# Altium PCB ESP12_RGBW_01.PcbDoc
Units mm, origin at the board's own origin, x right, y up, seen from the top; angles counter-clockwise.
Board outline 32 x 41 mm, 2 copper layers (Top Layer, Bottom Layer), stack 0.971 mm thick; 70 components, 72 nets, 264 pads, 37 vias.
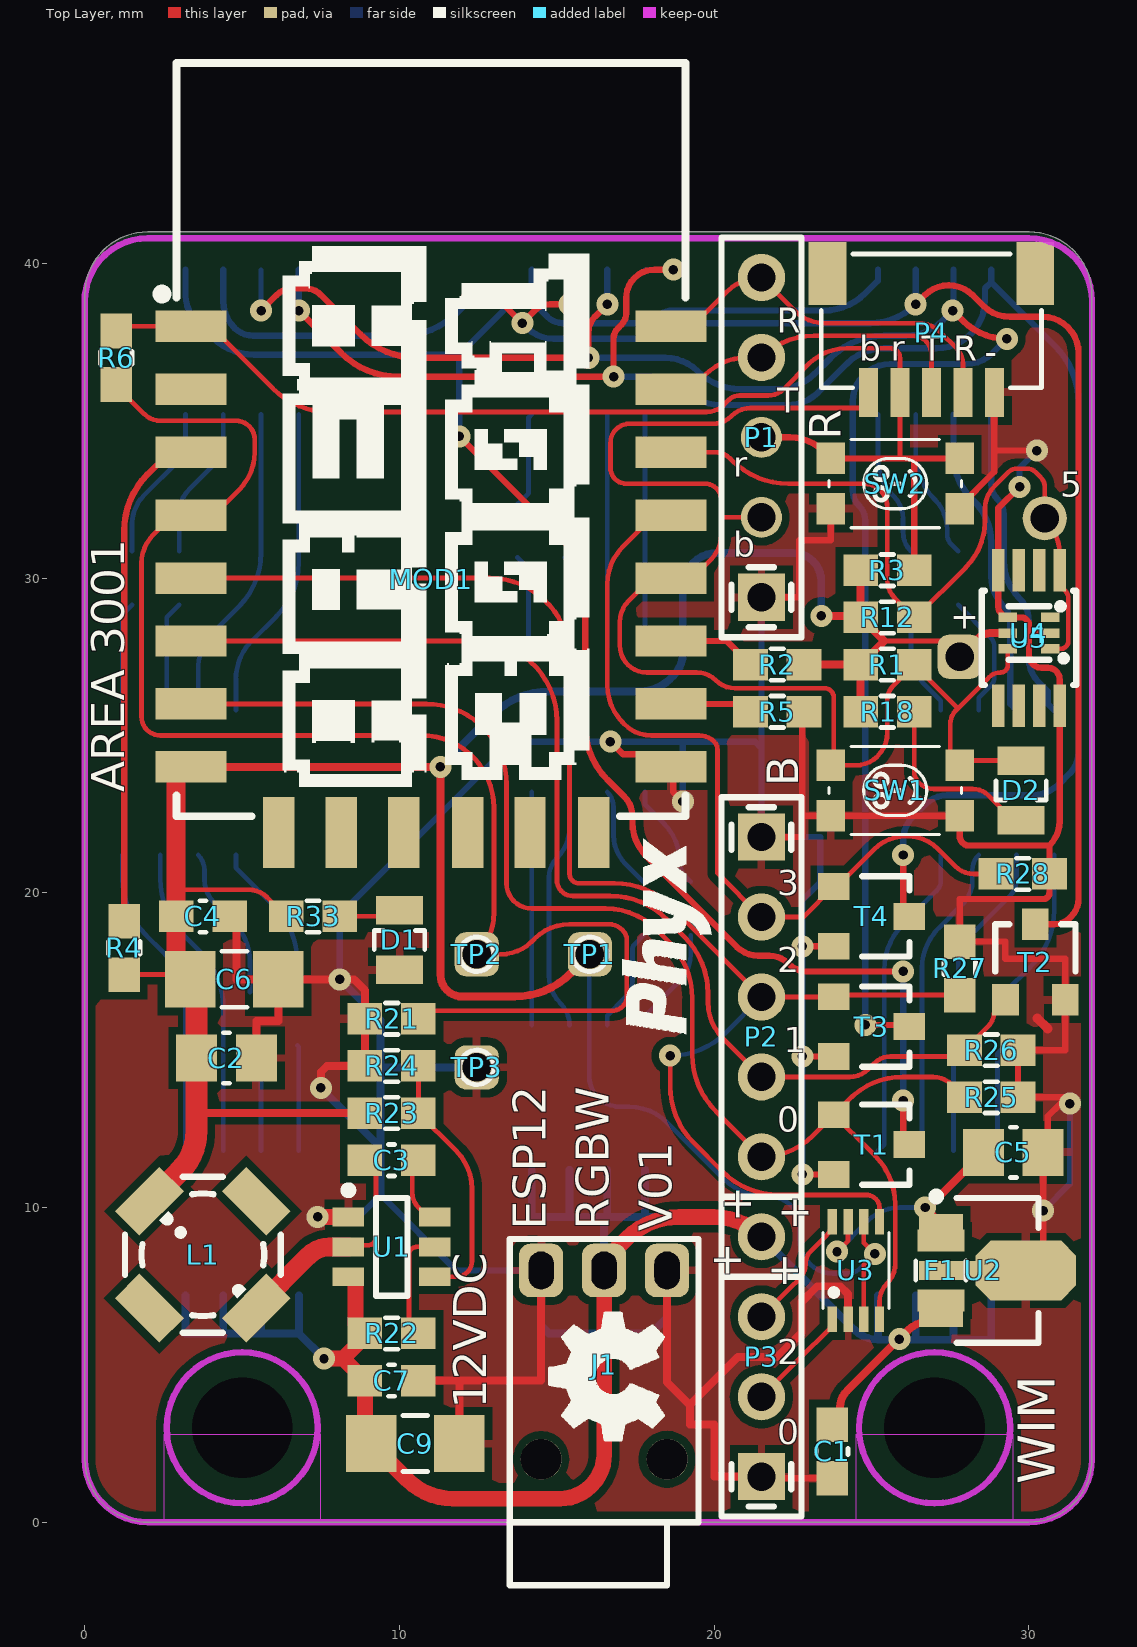
[diagram p0: Top Layer view]
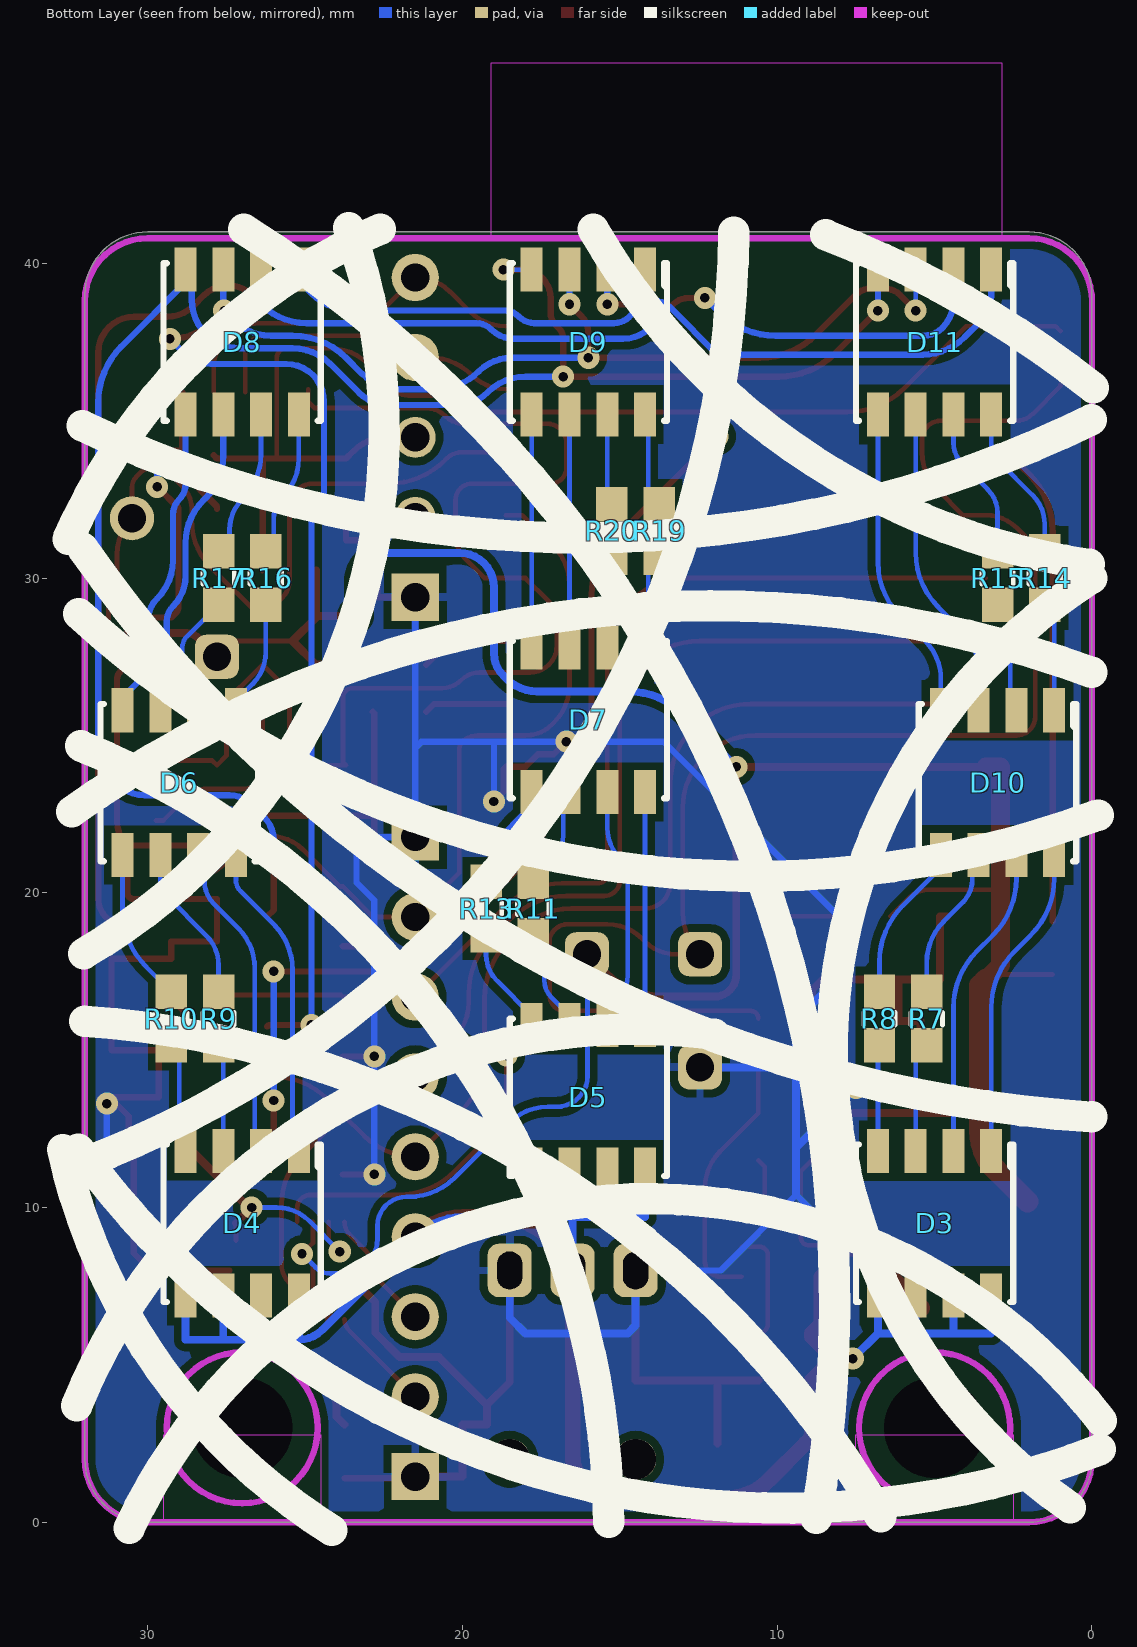
[diagram p1: Bottom Layer view, seen from below]
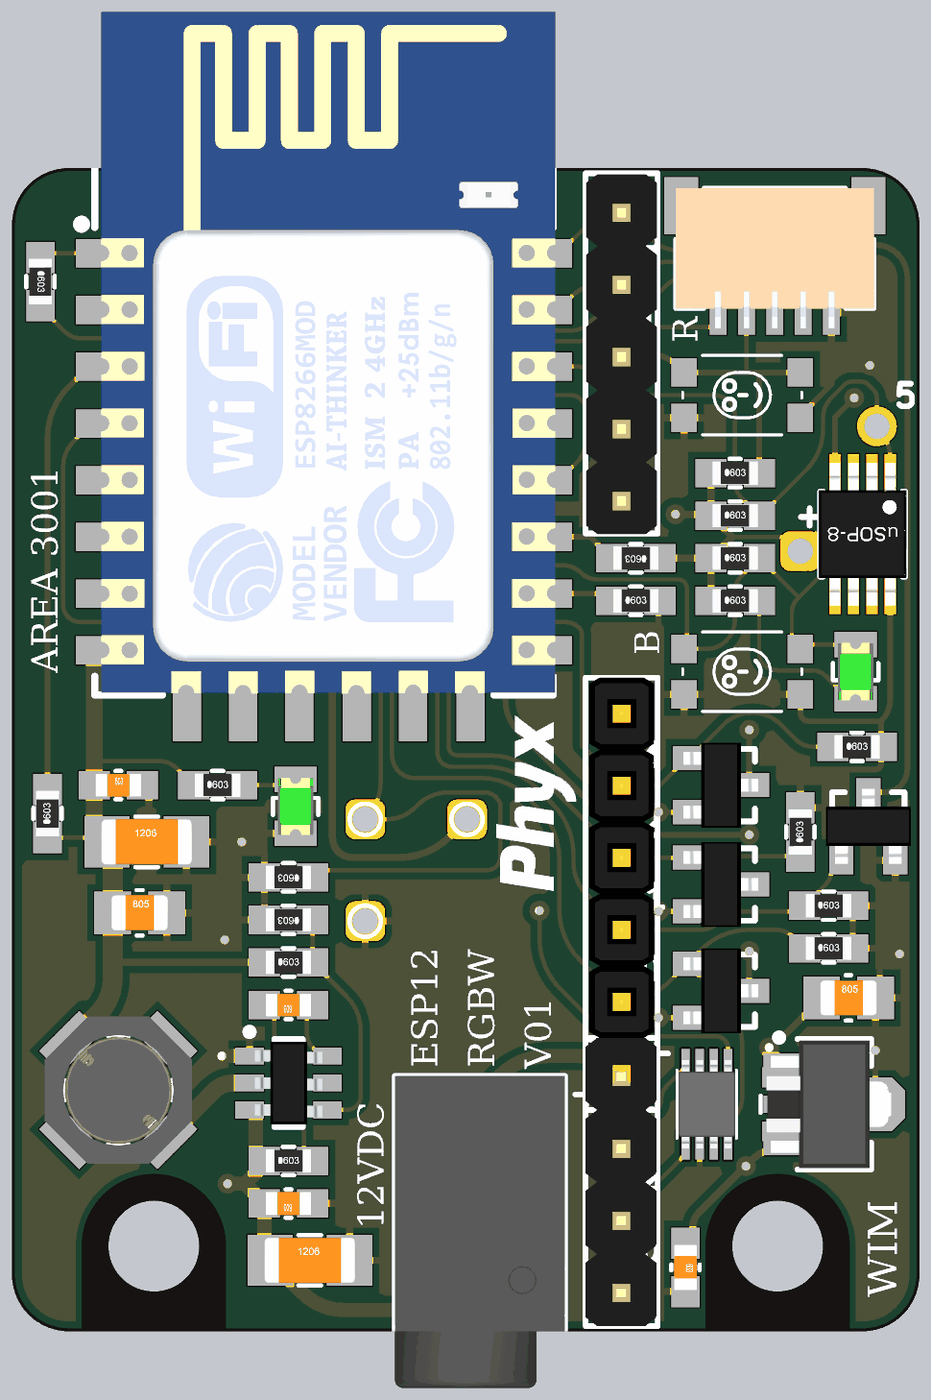
[diagram p2: 3D render of the assembled board from above, using the file's embedded part models]
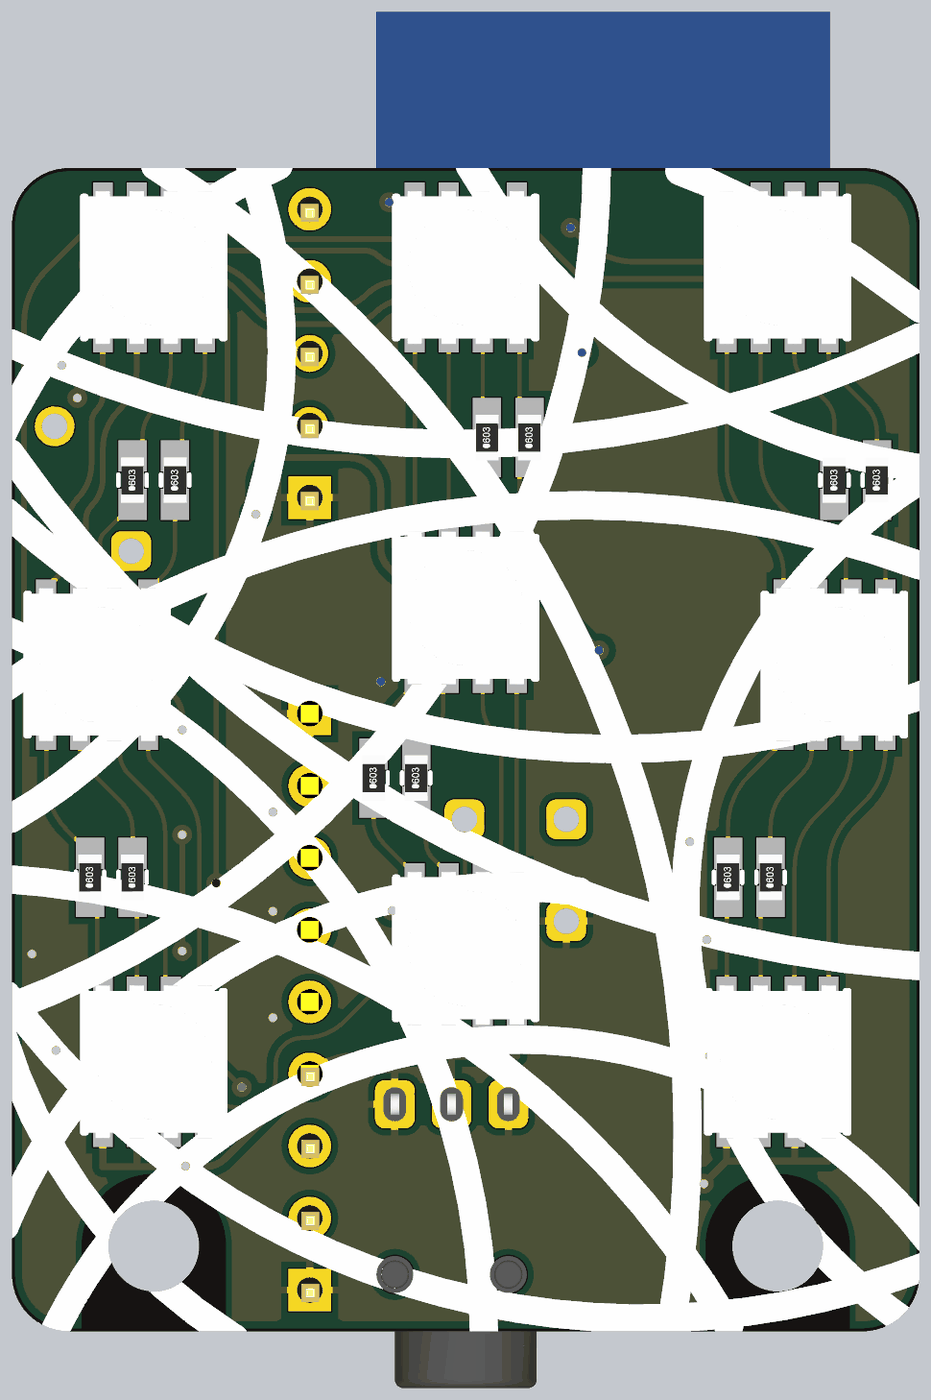
[diagram p3: 3D render of the assembled board from below, using the file's embedded part models]

## Layer stack, top to bottom
Top Solder: solder mask 0.0102, Solder Resist, Dk 3.5
Top Layer: signal copper 0.0356
Dielectric1: dielectric 0.9, FR-4, Dk 4.8
Bottom Layer: signal copper 0.0356
Bottom Solder: solder mask 0.0102, Solder Resist, Dk 3.5

## Board outline
0,2 0,39 cw(c2,39) 2,41 30,41 cw(c30,39) 32,39 32,2 cw(c30,2) 30,0 2,0 cw(c2,2)

## Design rules (kind name [scope] priority, off if disabled: settings)
Clearance [All] p1: gap=0.15 except(0.25: Arc-Poly Track-Poly SMDPad-Poly THPad-Poly Via-Poly Fill-Poly Poly-Poly)
HoleSize [All] p1: absolutevalues=TRUE maxlimit=4 minlimit=0.025 maxpercent=80.000 minpercent=20.000
MinimumSolderMaskSliver [All] p1: minsoldermaskwidth=0.1
PolygonConnect PolygonConnect_Via [IsVia] p1: connectstyle=Direct reliefconductorwidth=0.254 reliefentries=4 polygonreliefangle="90 Angle" airgapwidth=0.254
PolygonConnect PolygonConnect_TIO [All vs OnLayer('Top Layer')] p2: connectstyle=Relief reliefconductorwidth=0.25 reliefentries=4 polygonreliefangle="90 Angle" airgapwidth=0.25
PolygonConnect [All] p3: connectstyle=Relief reliefconductorwidth=0.25 reliefentries=4 polygonreliefangle="90 Angle" airgapwidth=0.25
RoutingVias [All] p1: holewidth=0.3 width=0.7 viastyle="Through Hole" minholewidth=0.3 minwidth=0.7 maxholewidth=0.3 maxwidth=0.7
SilkToSolderMaskClearance SilkscreenOverComponentPads [IsPad] p1: minsilkscreentomaskgap=0.254 clearancetoexposedcopper=TRUE
SolderMaskExpansion SolderMaskExpansion_VIA [IsVia] p1: expansion=-0.1 useseparateexpansions=TRUE expansionbottom=-10
SolderMaskExpansion [All] p2: expansion=0.05
Width [All] p1: maxlimit=2 minlimit=0.15 preferedwidth=0.5 minimp=50.000000 maximp=50.000000 favimp=50.000000
27 further rules are at their usual default settings.

## Classes and differential pairs
net class POWER: 3V3 GND NetC3_2 VIN

## Components (designator, comment, footprint, x,y, rotation, side; value= is the part's Value field where it differs from the comment)
C1 "CAP_CERAMIC" C0603_N 23.75,2.25 r270 top
C2 "CAP_CERAMIC" C0805_N 4.5,14.75 r0 top
C3 "CAP_CERAMIC" C0603_N 9.75,11.5 r180 top
C4 "CAP_CERAMIC" C0603_N 3.75,19.25 r0 top
C5 "CAP_CERAMIC" C0805_N 29.5,11.75 r0 top
C6 "CAP_CERAMIC" C1206_N 4.75,17.25 r0 top
C7 "CAP_CERAMIC" C0603_N 9.75,4.5 r180 top
C9 "CAP_CERAMIC" C1206_N 10.5,2.5 r0 top
D1 "Green LED" LED_0805_GR 10,18.5 r270 top
D2 "Green LED" LED_0805_GR 29.75,23.25 r90 top
D3 "5050 RGBW LED" LED_5050_RGBW_PLCC8 5,9.5 r90 bottom
D4 "5050 RGBW LED" LED_5050_RGBW_PLCC8 27,9.5 r90 bottom
D5 "5050 RGBW LED" LED_5050_RGBW_PLCC8 16,13.5 r90 bottom
D6 "5050 RGBW LED" LED_5050_RGBW_PLCC8 29,23.5 r90 bottom
D7 "5050 RGBW LED" LED_5050_RGBW_PLCC8 16,25.5 r90 bottom
D8 "5050 RGBW LED" LED_5050_RGBW_PLCC8 27,37.5 r90 bottom
D9 "5050 RGBW LED" LED_5050_RGBW_PLCC8 16,37.5 r90 bottom
D10 "5050 RGBW LED" LED_5050_RGBW_PLCC8 3,23.5 r90 bottom
D11 "5050 RGBW LED" LED_5050_RGBW_PLCC8 5,37.5 r90 bottom
F1 "FERRITE" L0805 27.2,8 r90 top
J1 "Socket RA 3.5 with 1.35 barrel" DC-003 16.5,8 r90 top
L1 "SRU5028-3R3Y" BRNS_SRU5028 3.75,8.5 r135 top
MOD1 "ESP8266 based ESP-12E" ESP-12E 11,31 r0 top locked
P1 "Header 5" HDR1X5 21.5,29.39 r90 top
P2 "Header 6" HDR1X6 21.5,21.77 r270 top
P3 "Header 4" HDR1X4 21.5,1.45 r90 top
P4 "Header 1.0mm RA Shrouded 5" WE_665105131822 28.9,35.9 r180 top
R1 "RESISTOR" R0603_N 25.5,27.25 r0 top
R2 "RESISTOR" R0603_N 22,27.25 r180 top
R3 "RESISTOR" R0603_N 25.5,30.25 r0 top
R4 "RESISTOR" R0603_N 1.25,18.25 r90 top
R5 "RESISTOR" R0603_N 22,25.75 r0 top
R6 "RESISTOR" R0603_N 1,37 r270 top
R7 "RESISTOR" R0603_N 5.25,16 r90 bottom
R8 "RESISTOR" R0603_N 6.75,16 r90 bottom
R9 "RESISTOR" R0603_N 27.75,16 r90 bottom
R10 "RESISTOR" R0603_N 29.25,16 r90 bottom
R11 "RESISTOR" R0603_N 17.75,19.5 r90 bottom
R12 "RESISTOR" R0603_N 25.5,28.75 r0 top
R13 "RESISTOR" R0603_N 19.25,19.5 r90 bottom
R14 "RESISTOR" R0603_N 1.5,30 r90 bottom
R15 "RESISTOR" R0603_N 3,30 r90 bottom
R16 "RESISTOR" R0603_N 26.25,30 r90 bottom
R17 "RESISTOR" R0603_N 27.75,30 r90 bottom
R18 "RESISTOR" R0603_N 25.5,25.75 r0 top
R19 "RESISTOR" R0603_N 13.75,31.5 r90 bottom
R20 "RESISTOR" R0603_N 15.25,31.5 r90 bottom
R21 "RESISTOR" R0603_N 9.75,16 r180 top
R22 "RESISTOR" R0603_N 9.75,6 r0 top
R23 "RESISTOR" R0603_N 9.75,13 r0 top
R24 "RESISTOR" R0603_N 9.75,14.5 r180 top
R25 "RESISTOR" R0603_N 28.8,13.5 r0 top
R26 "RESISTOR" R0603_N 28.8,15 r0 top
R27 "RESISTOR" R0603_N 27.8,17.6 r90 top
R28 "RESISTOR" R0603_N 29.8,20.6 r0 top
R33 "RESISTOR" R0603_N 7.25,19.25 r0 top
SW1 "LP SMD tact sw" CK_KMR4 25.75,23.25 r180 top
SW2 "LP SMD tact sw" CK_KMR4 25.75,33 r180 top
T1 "0.2A N-Ch MOSFET Vgs 3.2" SOT23-3 25,12 r270 top
T2 "0.2A N-Ch MOSFET Vgs 3.2" SOT23-3 30.2,17.8 r0 top
T3 "0.2A N-Ch MOSFET Vgs 3.2" SOT23-3 25,15.75 r270 top
T4 "0.2A N-Ch MOSFET Vgs 3.2" SOT23-3 25,19.25 r270 top
TP1 "TEST_PAD" TP_0.8mm_0.4mm 16.046,18.046 r90 top
TP2 "TEST_PAD" TP_0.8mm_0.4mm 12.454,18.046 r90 top
TP3 "TEST_PAD" TP_0.8mm_0.4mm 12.454,14.454 r90 top
U1 "Buck 2A" TI_DDC_R-PDSO-G6 9.75,8.75 r0 top
U2 "5V LDO 100mA" TI_PK 29,8 r0 top
U3 "2-bit Bi Level translator, 15kV ESD" TI_DCU_R-PDSO-G8 24.5,8 r0 top
U4 "I2C Temp sensor High Accuracy" TI_DRL_R-PDSO-N6 30,28.25 r90 top
U5 "Thermometer 1-Wire DS18B20U" MAX_uSOP8 30,28.1 r270 top

## Footprints (in the part's own frame and the unit in brackets; to place one, negate y for a bottom-side part, rotate by r counter-clockwise, add the part's x,y. Pads: shape width x height; smd on the part's side, far side on the other; paste and mask are expansions set on the pad)
BRNS_SRU5028 [mm] "Bourns 5.2x5.2mm Inductor 2.8mm height"
  rect 1.1x2 smd: 1(-2.4,0) 2(2.4,0)
  rect 2x1.1 smd: 3(0,-2.4) 4(0,2.4)
  silkscreen extent -2.2,-2.2 2.2,2.2, body extent -2.6,-2.6 2.6,2.6, height 2.8
C0603_N [mm] "Low density"
  rect 1.1x1 smd: 1(-0.85,0) 2(0.85,0)
  silkscreen extent -0.1,-0.5 0.1,0.5, body extent -0.8,-0.4 0.8,0.4, height 0.3
C0805_N [mm] "Low density"
  rect 1.3x1.5 smd: 1(-0.95,0) 2(0.95,0)
  silkscreen extent -0.1,-0.8 0.1,0.8, body extent -1,-0.62 1,0.63, height 0.78
C1206_N [mm] "low density"
  rect 1.6x1.8 smd: 1(-1.4,0) 2(1.4,0)
  silkscreen extent -0.4,-0.89 0.4,0.89, body extent -1.6,-0.8 1.6,0.8, height 1
CK_KMR4 [mm] "C&K KMR 4 series tactile switches"
  rect 0.9x1 smd: 1(-2.05,-0.8) 1(2.05,-0.8) 2(-2.05,0.8) 2(2.05,0.8)
  silkscreen extent -2.1,-1.4 2.1,1.4, body extent -2.1,-1.4 2.1,1.4, height 2.5
DC-003 [mm] "CUI PJ-040CH"
  rrect50% 1.7x1.4 hole 0.8 slot 1.2 at 0 deg paste-5: 1(0,0) 2(0,-2) 3(0,2)
  round 1.3 hole 1.3 unplated paste-5: MH1(-6,-2) MH2(-6,2)
  silkscreen extent -10,-3 1,3, body extent -10,-3 1,3, height 5
ESP-12E [mm]
  rect 2.25x1 smd: 1(-7.625,7) 2(-7.625,5) 3(-7.625,3) 4(-7.625,1) 5(-7.625,-1) 6(-7.625,-3) 7(-7.625,-5) 8(-7.625,-7) 15(7.625,-7) 16(7.625,-5) 17(7.625,-3) 18(7.625,-1) 19(7.625,1) 20(7.625,3) 21(7.625,5) 22(7.625,7)
  rect 1x2.25 smd: 9(-4.831,-9.083) 10(-2.85,-9.083) 11(-0.869,-9.083) 12(1.163,-9.083) 13(3.145,-9.083) 14(5.177,-9.083)
  Keep-Out Layer region: -8.127,9.727 8.084,9.727 8.084,15.371 -8.127,15.371
  silkscreen extent -8.7,-8.57 8.08,15.37, body extent -7.86,-8.52 8.16,15.51, height 3.82
HDR1X4 [mm] "Connector; Header; 4 Position"
  rect 1.5x1.5 hole 0.9: 1(0,0)
  round 1.5 hole 0.9: 2(2.54,0) 3(5.08,0) 4(7.62,0)
  silkscreen extent -1.27,-1.27 8.89,1.27, body extent -1.27,-1.23 8.89,1.27, height 8.2
HDR1X5 [mm] "Connector; Header; 5 Position"
  rect 1.5x1.5 hole 0.9: 1(0,0)
  round 1.3 hole 0.9: 2(2.54,0) 3(5.08,0)
  round 1.5 hole 0.9: 4(7.62,0) 5(10.16,0)
  silkscreen extent -1.27,-1.27 11.43,1.27, body extent -1.3,-1.25 11.4,1.25, height 8.2
HDR1X6 [mm] "Connector; Header; 6 Position"
  rect 1.5x1.5 hole 0.9: 1(0,0)
  round 1.5 hole 0.9: 2(2.54,0) 3(5.08,0) 4(7.62,0) 5(10.16,0) 6(12.7,0)
  silkscreen extent -1.27,-1.27 13.97,1.27, body extent -1.27,-1.14 13.97,1.14, height 8.13
L0805 [mm]
  rect 0.7x1.5 smd: 1(-0.95,0) 2(0.95,0)
  silkscreen extent -0.3,-0.8 0.3,0.8, body extent -1,-0.6 1,0.6, height 0.95
LED_0805_GR [mm] "0805 LED GREEN"
  rect 0.9x1.5 smd: 1(-0.95,0) 2(0.95,0)
  silkscreen extent -0.3,-0.8 0.3,0.8, body extent -1.01,-0.62 1.01,0.63, height 1.1
LED_5050_RGBW_PLCC8 [mm] "5050 RGBW LED PLCC8"
  rect 1.4x0.7 smd: 1(-2.3,1.8) 2(2.3,1.8) 3(-2.3,0.6) 4(2.3,0.6) 5(-2.3,-0.6) 6(2.3,-0.6) 7(-2.3,-1.8) 8(2.3,-1.8)
  silkscreen extent -2.5,-2.5 2.5,2.5, body extent -2.7,-2.5 2.7,2.5, height 1.6
MAX_uSOP8 [mm]
  rect 1.35x0.4 smd paste-5: 1(-2.15,0.975) 2(-2.15,0.325) 3(-2.15,-0.325) 4(-2.15,-0.975) 5(2.15,-0.975) 6(2.15,-0.325) 7(2.15,0.325) 8(2.15,0.975)
  silkscreen extent -1.5,-1.5 1.5,1.5, body extent -2.51,-1.55 2.52,1.55, height 1.1
R0603_N [mm] "Low density"
  rect 1.1x1 smd: 1(-0.85,0) 2(0.85,0)
  silkscreen extent -0.2,-0.5 0.2,0.5, body extent -0.8,-0.41 0.8,0.41, height 0.45
SOT23-3 [mm] "SOT-23; 3 Leads; Body 3.1 x 2.5 mm, inc. leads (LxW max)"
  rect 0.85x1 smd: 1(-0.95,-1.2) 2(0.95,-1.2) 3(0,1.2)
  silkscreen extent -1.27,-0.3 1.28,1.2, body extent -1.5,-1.32 1.5,1.32, height 1.08
TI_DCU_R-PDSO-G8 [mm] "TI_DCU_R-PDSO-G8"
  rect 0.3x0.8 smd mask+0.075: 1(-0.75,-1.55) 2(-0.25,-1.55) 3(0.25,-1.55) 4(0.75,-1.55) 5(0.75,1.55) 6(0.25,1.55) 7(-0.25,1.55) 8(-0.75,1.55)
  silkscreen extent -1.05,-1.2 1.05,1.2, body extent -1,-1.55 1,1.55, height 0.9
TI_DDC_R-PDSO-G6 [mm] "Ti DDC SOT23-6 package"
  rect 1x0.6 smd: 1(-1.375,0.95) 2(-1.375,0) 3(-1.375,-0.95) 4(1.375,-0.95) 5(1.375,0) 6(1.375,0.95)
  silkscreen extent -1.5,-1.55 0.5,1.92, body extent -1.18,-1.46 1.2,1.46, height 0.93
TI_DRL_R-PDSO-N6 [mm] "TI_DRL_R-PDSO-N6"
  rect 0.3x0.6 smd: 1(-0.5,-0.675) 2(0,-0.675) 3(0.5,-0.675) 4(0.5,0.675) 5(0,0.675) 6(-0.5,0.675)
  silkscreen extent -0.9,-1.2 0.85,0.65, body extent -0.85,-0.85 0.85,0.85, height 0.6
TI_PK [mm] "SOT-89 3 leads package"
  rect 1.4x0.6 smd: 1(-1.8,1.5) 3(-1.8,-1.5)
  rect 1.8x0.6 smd: 2(-1.6,0)
  oct 3.2x1.9 smd: 2(0.9,0)
  silkscreen extent -2.07,-2.3 1.3,2.47, body extent -2.25,-2.25 2,2.25, height 1.54
TP_0.8mm_0.4mm [mm] "0.8mm pad, 0.4mm hole"
  rrect50% 1.4x1.4 hole 0.9 mask+0.05: 1(0,0)
  silkscreen extent -0.55,-0.55 0.55,0.55
WE_665105131822 [mm]
  rect 0.6x1.55 smd: 1(0,0) 2(1,0) 3(2,0) 4(3,0) 5(4,0)
  rect 1.2x2 smd: Z1(-1.3,-3.775) Z2(5.3,-3.775)
  silkscreen extent -1.5,-4.4 5.5,-0.15, body extent -1.5,-4.4 5.5,0.55, height 2.95

## Part data
C1 C3 C4 C7: library part "CAP # 100nF 50V 0603", "Capacitor Ceramic"
C2 C5: library part "CAP # 10uF 10V 0805", "Capacitor Ceramic"
C6 C9: library part "CAP # 22uF 16V 1206 X5R", "Capacitor Ceramic"
D1 D2: library part "LED # Green 0805", "=Description"
D3 D4 D5 D6 D7 D8 D9 D10 D11: library part "LED # RGBW 5050", "=Description"
F1: library part "FER # 120R 0.8A 0805 0R12"
J1: library part "SCKT 1.35mm barrel 3.5mm dia", "=Description"
L1: library part "IND # 3u3H 5.2x5.2mm"
MOD1: library part "WiFi # MOD ESP-12E", "=Description"
P1: library part "Pin Header 2.54mm 5way"
P2: library part "Pin Header 2.54mm 6way"
P3: library part "Pin Header 2.54mm 4way"
P4: library part "HDR # RA SHR 1.0mm 2way - 665105131822"
R1 R2 R3 R4 R5 R12 R21 R22 R24 R25 R26 R27 R28: library part "RES # 10K 0603"
R6: library part "RES # 100R 0603"
R7 R9 R11 R15 R17 R20: library part "RES # 270R 0603"
R8 R10 R13: library part "RES # 560R 0603"
R14 R16 R18 R19 R33: library part "RES # 330R 0603"
R23: library part "RES # 33K2 0603"
SW1 SW2: library part "SW # KMR4"
T1 T2 T3 T4: library part "BSS138 N-Ch MOSFET 0.2A 3.2Vgs 60Vds"
TP1 TP2 TP3: library part "TP 0.8mm"
U1: library part "PWR # Buck TPS562209 2A", "=Description"
U2: library part "LDO # 5V 100mA", "LDO 5V 100mA"
U3: library part "LVL # 2ch TXB0102DCU", "=Description"
U4: library part "TEMP # TMP112", "=Description"
U5: library part "TMP # DS18B20U", "=Description"

## Free pads (board coordinates)
  round 2.6 hole 3.2 unplated mask+1.25: 0(5,3) 0(27,3)
  rrect50% 1.4x1.4 hole 0.9: 6(27.8,27.5)
  round 1.4 hole 0.9: 7(30.5,31.9)

## Via types
v1: diameter 0.7, hole 0.3, Top Layer to Bottom Layer, 37 vias
